# KiCad board BareDevRev2.kicad_pcb (continued)
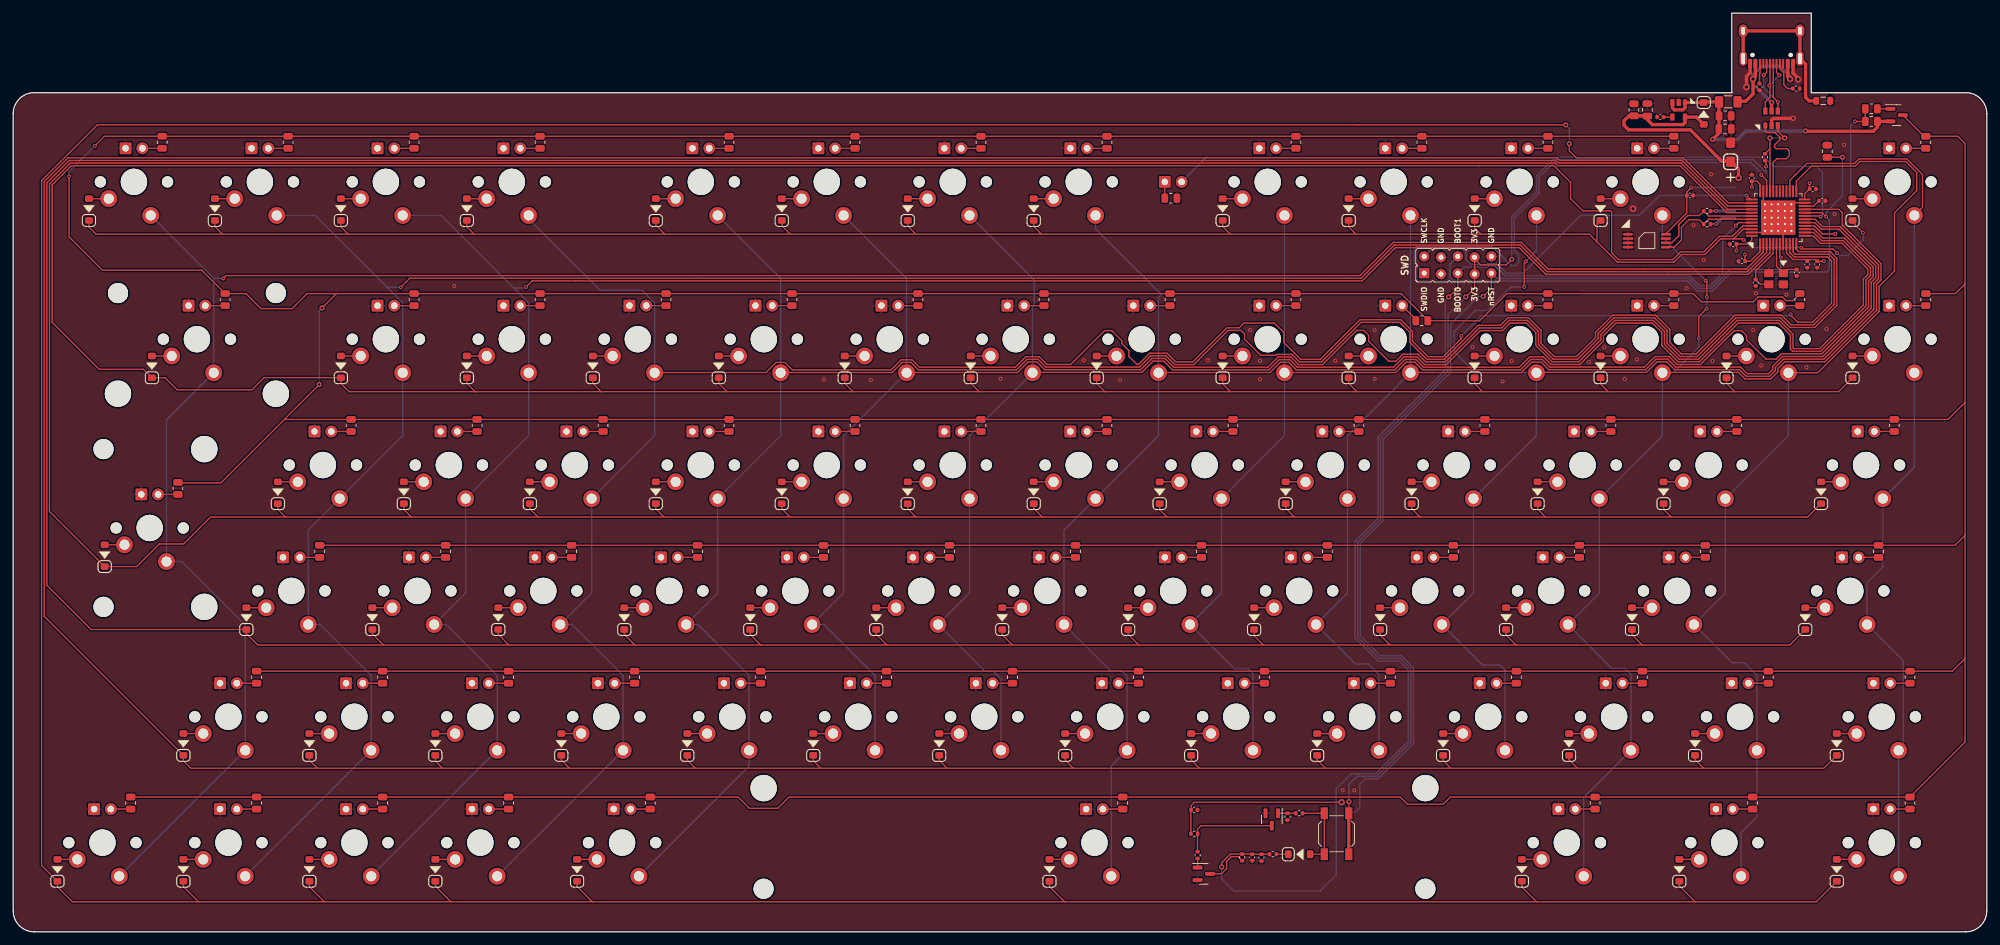
[diagram p0: board, top side]
## Routing (per net, layer and track width the routed paths; a pad name or vN(x,y) marks a point on that pad's centre or on a via; arc(x,y) is an arc through that point) (continued)
COL11: length 327
  Top w0.2: v1(77.55,97.6) 78.46,98.52 203.99,98.52 209.02,103.55 227.74,103.55 231.77,99.52 262.41,99.52 265.66,102.76 U2.4
  Bottom w0.2: 75.68,97.45 77.95,95.18 K_125.1 77.95,75.09 K_139.1 68.42,51.28 K_153.1 65.45,46.51 73.18,38.78 K_166.1 K_175.1 ; 75.68,97.45 77.4,97.45 v1(77.55,97.6) ; 75.68,97.45 64.7,108.43 K_111.1
COL12: length 345.6
  Top w0.2: v1(58.6,97.55) 59.97,98.92 103.66,98.92 132.77,98.92 203.83,98.92 208.85,103.94 227.57,103.94 227.91,103.94 231.93,99.92 262.25,99.92 265.16,102.83 U2.3
  Bottom w0.2: K_176.1 K_167.1 54.13,38.78 46.4,46.51 K_154.1 44.61,60.8 K_140.1 58.9,75.09 K_126.1 58.9,95.18 56.45,97.63 ; 56.45,97.63 45.65,108.43 K_112.1 ; 56.45,97.63 56.53,97.55 v1(58.6,97.55)
COL13: length 361.6
  Top w0.2: v1(31.73,98.9) 32.15,99.32 83.65,99.32 127.33,99.32 203.66,99.32 208.69,104.34 228.07,104.34 232.1,100.32 246.71,100.32 250.47,100.32 262.08,100.32 264.66,102.89 U2.2
  Bottom w0.2: 30.32,98.9 31.72,98.9 v1(31.73,98.9) ; 30.32,98.9 K_113.1 ; 30.32,98.9 K_127.1 23.18,77.47 K_141.1 25.49,56.04 35.08,46.45 K_168.1 K_177.1
D+: length 13.7
  Top w0.2: U2.33 265.66,118.51 ; 265.66,118.51 v3(265.66,120.15) ; 265.66,118.51 R4.2 ; 266.86,121.28 266.86,121.18 v3(267.89,120.15) ; 266.86,121.28 266.86,121.23 ; 266.86,121.28 U3.3
  Bottom w0.2: v3(265.66,120.15) 266.38,120.15 266.38,120.15 v3(267.89,120.15)
D-: length 15.7
  Top w0.2: U3.1 264.96,121.16 265.15,120.96 266.44,120.96 267.19,120.21 267.19,119.91 266.35,119.07 266.35,118.78 266.6,118.53 268.25,118.53 268.6,118.18 268.6,117.48 268.12,117.01 266.7,117.01 266.16,116.46 U2.32
DBUS+: length 14.5
  Top w0.2: 266.86,125.62 266.16,126.32 266.16,131.49 ; v1(264.71,129.64) 265.16,130.08 265.16,131.49 ; v1(266.87,125.62) 266.87,124.24 U3.4
  Bottom w0.2: 264.72,129.64 264.72,127.75 266.87,125.61
DBUS-: length 11.8
  Top w0.2: 266.66,131.49 266.66,130.08 v1(267.1,129.64) ; U3.6 264.96,125.61 265.66,126.31 265.66,131.49
  Bottom w0.2: v1(265.56,128.11) 265.57,128.11 v1(267.1,129.64)
LED_PWM: length 26.9
  Top w0.2: R5.2 R6.1 280.07,122.65 v1(278.51,122.65) ; v1(275.54,105.63) 273.59,105.63 272.37,106.85 U2.16
  Bottom w0.2: v1(278.51,122.65) 277.88,122.01 277.88,107.96 v1(275.54,105.63)
NRST: length 179.8
  Top w0.2: X1.9 223.54,97.41 v3(222.29,96.16) ; v1(267.31,102.05) 267.16,102.2 U2.7 ; R305.2 178.09,18.41 C302.1 178.12,19.13 178.59,19.6 v2(200.88,19.6)
  Bottom w0.2: X1.9 224.33,98.88 253.36,98.88 254.85,97.39 256.77,97.39 259.64,100.27 267.08,100.27 267.31,100.49 v1(267.31,102.05) ; v2(200.88,19.6) 202.35,18.12 202.96,18.12 203.64,18.8 203.64,22.34 204.42,23.12 206.36,23.12 211.76,28.51 211.76,32.88 211.76,32.88 211.76,39.96 209.91,41.8 206.7,41.8 203.71,44.79 203.71,58.79 207.17,62.25 207.17,74.51 217.36,84.7 217.36,91.97 221.56,96.16 v3(222.29,96.16)
PB2/BOOT1: length 87.3
  Top w0.2: U2.20 273.56,108.85 v1(274.17,108.24) ; v3(276.64,117.24) 274.33,117.24 R308.1
  Bottom w0.2: X1.6 217.26,101.03 217.26,99.05 217.83,98.49 253.2,98.49 254.69,96.99 256.93,96.99 259.81,99.87 274.31,99.87 274.65,100.21 274.65,107.75 v1(274.17,108.24) 274.17,108.93 276.64,111.4 v3(276.64,117.24)
ROW0: length 311
  Top w0.2: 155.48,105.6 184.06,105.6 ; 155.48,105.6 136.49,105.6 ; 155.48,105.6 154.32,106.76 D_106.1 ; 184.06,105.6 203.04,105.6 ; 184.06,105.6 182.9,106.76 D_105.1 ; D_101.1 278.15,107.39 v1(279.73,105.81) ; 239.5,104.44 239.5,107.12 D_102.1 ; 239.5,104.44 238.34,105.6 221.95,105.6 ; 239.5,104.44 242.59,101.35 251.15,101.35 252.31,102.51 255.84,102.51 258.21,104.88 260.16,104.88 ; D_104.1 201.95,106.69 203.04,105.6 ; 117.51,105.6 116.22,106.88 D_108.1 ; 117.51,105.6 98.52,105.6 ; 117.51,105.6 136.49,105.6 ; 203.04,105.6 221.95,105.6 ; 221.95,105.6 221,106.55 D_103.1 ; 31.65,105.6 50.66,105.6 ; 31.65,105.6 12.52,105.6 11.45,106.67 D_113.1 ; 31.65,105.6 30.5,106.75 D_112.1 ; 50.66,105.6 49.55,106.71 D_111.1 ; 50.66,105.6 69.71,105.6 ; 98.52,105.6 97.17,106.94 D_109.1 ; 98.52,105.6 69.71,105.6 ; 136.49,105.6 135.27,106.82 D_107.1 ; 260.16,104.88 261.53,104.88 v1(261.7,104.71) ; 260.16,104.88 261.62,106.35 U2.46 ; D_110.1 68.6,106.71 69.71,105.6 ; v1(275.8,102.76) 275.22,103.34 270.61,103.34 v1(270.41,103.54)
  Bottom w0.2: v1(279.73,105.81) 279.78,105.76 279.78,104.76 277.37,102.35 276.21,102.35 v1(275.8,102.76) ; v1(261.7,104.71) 262.84,103.57 270.39,103.57 v1(270.41,103.54)
ROW1: length 600.3
  Top w0.2: 165.08,81.75 184.08,81.75 ; 165.08,81.75 146.06,81.75 ; 165.08,81.75 163.85,82.98 D_120.1 ; 184.08,81.75 182.9,82.93 D_119.1 ; 184.08,81.75 203.19,81.75 ; U2.45 261.56,106.85 259.99,105.28 258.04,105.28 255.67,102.91 252.15,102.91 250.98,101.75 242.76,101.75 241.72,102.78 241.72,108.93 241.53,109.12 237.36,109.12 235.51,110.97 235.51,113.43 233,115.95 221.64,115.95 221.64,115.95 221.64,115.95 8.79,115.95 5.88,113.05 5.88,92.26 13,85.14 19.69,85.14 D_127.1 22.97,83.85 24.79,82.04 36.1,82.04 37.94,83.88 49.52,83.88 D_126.1 49.55,83 50.8,81.75 69.86,81.75 ; 241.21,81.75 240.05,82.91 D_116.1 ; 241.21,81.75 260.35,81.75 ; 241.21,81.75 222.21,81.75 ; 146.06,81.75 144.8,83.02 D_121.1 ; 146.06,81.75 127,81.75 ; 88.9,81.75 69.86,81.75 69.86,81.75 ; 88.9,81.75 87.65,83 D_124.1 ; 88.9,81.75 107.94,81.75 ; D_115.1 259.1,83.01 260.35,81.75 ; 69.86,81.75 68.6,83.01 D_125.1 ; 260.35,81.75 276.04,81.75 D_114.1 ; D_123.1 106.7,83 107.94,81.75 ; D_122.1 125.75,83.01 127,81.75 ; 203.19,81.75 222.21,81.75 ; 203.19,81.75 201.95,83 D_118.1 ; 222.21,81.75 221,82.96 D_117.1 ; 127,81.75 107.94,81.75
ROW2: length 617
  Top w0.2: 212.74,62.78 231.72,62.78 ; 212.74,62.78 193.74,62.78 ; 212.74,62.78 211.47,64.05 D_131.1 ; 231.72,62.78 230.52,63.98 D_130.1 ; 231.72,62.78 250.73,62.78 ; 41.19,62.78 60.2,62.78 ; 41.19,62.78 29.85,62.78 25.77,58.7 22.08,58.7 18.66,55.28 D_141.1 5.48,63.62 5.48,113.21 8.62,116.35 233.16,116.35 233.56,115.95 252.05,115.95 259.16,108.85 U2.41 ; 41.19,62.78 40.02,63.95 D_140.1 ; 60.2,62.78 59.07,63.91 D_139.1 ; 60.2,62.78 79.36,62.78 ; D_136.1 116.22,64.04 117.48,62.78 ; 174.48,62.78 193.74,62.78 ; 174.48,62.78 155.62,62.78 ; 174.48,62.78 173.37,63.89 D_133.1 ; 193.74,62.78 192.42,64.1 D_132.1 ; 117.48,62.78 136.5,62.78 ; 117.48,62.78 98.41,62.78 ; D_134.1 154.32,64.08 155.62,62.78 ; 98.41,62.78 97.17,64.02 D_137.1 ; 98.41,62.78 79.36,62.78 ; D_129.1 249.57,63.94 250.73,62.78 ; 250.73,62.78 271.36,62.78 D_128.1 ; 79.36,62.78 78.12,64.02 D_138.1 ; D_135.1 135.27,64.01 136.5,62.78 ; 136.5,62.78 155.62,62.78
ROW3: length 627.1
  Top w0.2: 74.96,43.41 94.01,43.41 ; 74.96,43.41 73.36,45.01 D_152.1 ; 74.96,43.41 56,43.41 ; 94.01,43.41 92.41,45.01 D_151.1 ; 94.01,43.41 113.04,43.41 ; D_148.1 149.56,44.97 151.12,43.41 ; 113.04,43.41 111.46,44.99 D_150.1 ; 113.04,43.41 132.11,43.41 ; 189.05,43.41 208.21,43.41 ; 189.05,43.41 187.66,44.8 D_146.1 ; 189.05,43.41 170.22,43.41 ; 208.21,43.41 206.71,44.91 D_145.1 ; 208.21,43.41 227.26,43.41 ; 170.22,43.41 168.61,45.02 D_147.1 ; 170.22,43.41 151.12,43.41 ; 151.12,43.41 132.11,43.41 ; D_144.1 225.76,44.91 227.26,43.41 ; D_142.1 268.66,43.41 246.33,43.41 ; 227.26,43.41 246.33,43.41 ; 56,43.41 36.98,43.41 35.26,45.13 D_154.1 11.78,45.75 5.09,52.45 5.09,113.38 8.46,116.75 233.33,116.75 233.73,116.35 252.22,116.35 259.22,109.35 U2.40 ; 56,43.41 54.31,45.1 D_153.1 ; 132.11,43.41 130.51,45.02 D_149.1 ; 246.33,43.41 244.81,44.93 D_143.1
ROW4: length 639.9
  Top w0.2: 84.14,24.75 82.88,26 D_165.1 ; 84.14,24.75 103.15,24.75 ; 84.14,24.75 64.92,24.75 ; 217.39,24.75 236.56,24.75 ; 217.39,24.75 198.45,24.75 ; 217.39,24.75 216.23,25.9 D_158.1 ; 236.56,24.75 235.28,26.03 D_157.1 ; 236.56,24.75 255.64,24.75 ; D_161.1 159.08,25.99 160.32,24.75 ; D_155.1 273.81,24.75 255.64,24.75 ; 103.15,24.75 122.14,24.75 ; 103.15,24.75 101.93,25.97 D_164.1 ; 46.01,24.75 44.78,25.97 D_167.1 ; 46.01,24.75 26.86,24.75 25.73,25.88 D_168.1 4.69,47.75 4.69,113.54 8.29,117.15 70.9,117.15 233.49,117.15 233.89,116.75 252.38,116.75 259.29,109.85 U2.39 ; 46.01,24.75 64.92,24.75 ; 141.24,24.75 160.32,24.75 ; 141.24,24.75 122.14,24.75 ; 141.24,24.75 140.03,25.95 D_162.1 ; 160.32,24.75 179.39,24.75 ; 198.45,24.75 197.18,26.02 D_159.1 ; 198.45,24.75 179.39,24.75 ; 122.14,24.75 120.98,25.91 D_163.1 ; 179.39,24.75 178.13,26 D_160.1 ; 64.92,24.75 63.83,25.83 D_166.1 ; 255.64,24.75 254.33,26.05 D_156.1
ROW5: length 676.8
  Top w0.2: 66.2,4.54 87.58,4.54 ; 66.2,4.54 47.06,4.54 ; 66.2,4.54 63.83,6.9 D_174.1 ; 87.58,4.54 85.26,6.85 D_173.1 ; 87.58,4.54 159,4.54 ; v3(234.78,122.14) 203.42,122.14 203.42,122.14 12.72,122.14 4.29,113.71 4.29,10.05 D_177.1 6.68,6.79 8.94,4.54 28.04,4.54 ; 230.38,4.54 228.14,6.78 D_171.1 ; 230.38,4.54 159,4.54 ; 230.38,4.54 254.36,4.54 ; 254.36,4.54 251.95,6.94 D_170.1 ; 254.36,4.54 272.65,4.54 D_169.1 ; U2.38 259.35,110.35 252.55,117.15 236.37,117.15 235.32,118.2 v3(235.32,119.3) ; 159,4.54 156.7,6.84 D_172.1 ; D_176.1 25.73,6.85 28.04,4.54 ; 28.04,4.54 47.06,4.54 ; 47.06,4.54 44.78,6.82 D_175.1
  Bottom w0.2: v3(234.78,122.14) 235.32,121.6 v3(235.32,119.3)
SCL: length 16.3
  Top w0.2: U2.42 256.4,108.35 R2.2 254.97,108.42 253.25,108.42 251.88,107.06 251.88,105.36 250.8,104.27 U1.6
SDA: length 16.4
  Top w0.2: U1.5 251.19,103.62 252.28,104.72 252.28,106.64 253.42,107.77 254.97,107.77 R1.2 256.4,107.85 U2.43
SWCLK: length 57.4
  Top w0.2: v1(262.11,111.45) 262.71,110.85 U2.37
  Bottom w0.2: X1.2 214.49,103.34 219.25,103.34 219.71,102.88 219.71,101.76 220.45,101.02 222.8,101.02 222.93,101.14 224.35,101.14 225.81,99.68 228.27,99.68 237.04,108.45 245.93,108.45 248.92,111.45 v1(262.11,111.45)
SWDIO: length 74.7
  Top w0.2: U2.34 265.16,113.75 v1(264.35,114.56)
  Bottom w0.2: v1(264.35,114.56) 264.35,114.84 262.74,116.45 233,116.45 230.76,114.2 230.76,111.79 227,108.03 227,103.11 227.66,102.45 227.66,101.28 227.22,100.85 226.54,100.85 223.65,103.74 212.17,103.74 211.9,103.47 211.9,101.15 X1.1
XTAL_IN: length 8.8
  Top w0.2: Y1.3 264.24,98 C9.1 263.51,100.05 266.16,102.7 U2.5
XTAL_OUT: length 7.1
  Top w0.2: U2.6 266.66,100.73 Y1.1 268.24,100.25 C8.1
Net-(C11-Pad2): length 2.5
  Top w0.2: C11.2 272.28,109.85 U2.22
Net-(C203-Pad2): length 1.3
  Top w0.2: C203.2 U201.4
Net-(D301-Pad1): length 1.8
  Top w0.2: R301.2 D301.1
Net-(D301-Pad2): length 11.6
  Top w0.2: D301.2 SW301.2 SW301.2 R306.2
Net-(D_101-Pad2): length 3
  Top w0.2: 278.15,110.97 K_101.2
Net-(D_102-Pad2): length 3
  Top w0.2: 240.05,110.97 K_102.2
Net-(D_103-Pad2): length 3
  Top w0.2: 221,110.97 K_103.2
Net-(D_104-Pad2): length 3
  Top w0.2: 201.95,110.97 K_104.2
Net-(D_105-Pad2): length 3
  Top w0.2: 182.9,110.97 K_105.2
Net-(D_106-Pad2): length 3
  Top w0.2: 154.32,110.97 K_106.2
Net-(D_107-Pad2): length 3
  Top w0.2: 135.27,110.97 K_107.2
Net-(D_108-Pad2): length 3
  Top w0.2: 116.22,110.97 K_108.2
Net-(D_109-Pad2): length 3
  Top w0.2: 97.17,110.97 K_109.2
Net-(D_110-Pad2): length 3
  Top w0.2: 68.6,110.97 K_110.2
Net-(D_111-Pad2): length 3
  Top w0.2: 49.55,110.97 K_111.2
Net-(D_112-Pad2): length 3
  Top w0.2: 30.5,110.97 K_112.2
Net-(D_113-Pad2): length 3
  Top w0.2: 11.45,110.97 K_113.2
Net-(D_114-Pad2): length 3
  Top w0.2: D_114.2 K_114.2
Net-(D_115-Pad2): length 3
  Top w0.2: D_115.2 K_115.2
Net-(D_116-Pad2): length 3
  Top w0.2: D_116.2 K_116.2
Net-(D_117-Pad2): length 3
  Top w0.2: D_117.2 K_117.2
Net-(D_118-Pad2): length 3
  Top w0.2: D_118.2 K_118.2
Net-(D_119-Pad2): length 3
  Top w0.2: D_119.2 K_119.2
Net-(D_120-Pad2): length 3
  Top w0.2: D_120.2 K_120.2
Net-(D_121-Pad2): length 3
  Top w0.2: D_121.2 K_121.2
Net-(D_122-Pad2): length 3
  Top w0.2: D_122.2 K_122.2
Net-(D_123-Pad2): length 3
  Top w0.2: D_123.2 K_123.2
Net-(D_124-Pad2): length 3
  Top w0.2: D_124.2 K_124.2
Net-(D_125-Pad2): length 3
  Top w0.2: D_125.2 K_125.2
Net-(D_126-Pad2): length 3
  Top w0.2: D_126.2 K_126.2
Net-(D_127-Pad2): length 3
  Top w0.2: D_127.2 K_127.2
Net-(D_128-Pad2): length 3
  Top w0.2: D_128.2 K_128.2
Net-(D_129-Pad2): length 3
  Top w0.2: D_129.2 K_129.2
Net-(D_130-Pad2): length 3
  Top w0.2: D_130.2 K_130.2
Net-(D_131-Pad2): length 3
  Top w0.2: D_131.2 K_131.2
Net-(D_132-Pad2): length 3
  Top w0.2: D_132.2 K_132.2
Net-(D_133-Pad2): length 3
  Top w0.2: D_133.2 K_133.2
Net-(D_134-Pad2): length 3
  Top w0.2: D_134.2 K_134.2
Net-(D_135-Pad2): length 3
  Top w0.2: D_135.2 K_135.2
Net-(D_136-Pad2): length 3
  Top w0.2: D_136.2 K_136.2
Net-(D_137-Pad2): length 3
  Top w0.2: D_137.2 K_137.2
Net-(D_138-Pad2): length 3
  Top w0.2: D_138.2 K_138.2
Net-(D_139-Pad2): length 3
  Top w0.2: D_139.2 K_139.2
Net-(D_140-Pad2): length 3
  Top w0.2: D_140.2 K_140.2
Net-(D_141-Pad2): length 3
  Top w0.2: D_141.2 K_141.2
Net-(D_142-Pad2): length 3
  Top w0.2: D_142.2 K_142.2
Net-(D_143-Pad2): length 3
  Top w0.2: D_143.2 K_143.2
Net-(D_144-Pad2): length 3
  Top w0.2: D_144.2 K_144.2
Net-(D_145-Pad2): length 3
  Top w0.2: D_145.2 K_145.2
Net-(D_146-Pad2): length 3
  Top w0.2: D_146.2 K_146.2
Net-(D_147-Pad2): length 3
  Top w0.2: D_147.2 K_147.2
Net-(D_148-Pad2): length 3
  Top w0.2: D_148.2 K_148.2
Net-(D_149-Pad2): length 3
  Top w0.2: D_149.2 K_149.2
Net-(D_150-Pad2): length 3
  Top w0.2: D_150.2 K_150.2
Net-(D_151-Pad2): length 3
  Top w0.2: D_151.2 K_151.2
Net-(D_152-Pad2): length 3
  Top w0.2: D_152.2 K_152.2
Net-(D_153-Pad2): length 3
  Top w0.2: D_153.2 K_153.2
Net-(D_154-Pad2): length 3
  Top w0.2: D_154.2 K_154.2
Net-(D_155-Pad2): length 3
  Top w0.2: D_155.2 K_155.2
Net-(D_156-Pad2): length 3
  Top w0.2: D_156.2 K_156.2
Net-(D_157-Pad2): length 3
  Top w0.2: D_157.2 K_157.2
Net-(D_158-Pad2): length 3
  Top w0.2: D_158.2 K_158.2
Net-(D_159-Pad2): length 3
  Top w0.2: D_159.2 K_159.2
Net-(D_160-Pad2): length 3
  Top w0.2: D_160.2 K_160.2
Net-(D_161-Pad2): length 3
  Top w0.2: D_161.2 K_161.2
Net-(D_162-Pad2): length 3
  Top w0.2: D_162.2 K_162.2
Net-(D_163-Pad2): length 3
  Top w0.2: D_163.2 K_163.2
Net-(D_164-Pad2): length 3
  Top w0.2: D_164.2 K_164.2
Net-(D_165-Pad2): length 3
  Top w0.2: D_165.2 K_165.2
Net-(D_166-Pad2): length 3
  Top w0.2: D_166.2 K_166.2
Net-(D_167-Pad2): length 3
  Top w0.2: D_167.2 K_167.2
Net-(D_168-Pad2): length 3
  Top w0.2: D_168.2 K_168.2
Net-(D_169-Pad2): length 3
  Top w0.2: D_169.2 K_169.2
Net-(D_170-Pad2): length 3
  Top w0.2: D_170.2 K_170.2
Net-(D_171-Pad2): length 3
  Top w0.2: D_171.2 K_171.2
Net-(D_172-Pad2): length 3
  Top w0.2: D_172.2 K_172.2
Net-(D_173-Pad2): length 3
  Top w0.2: D_173.2 K_173.2
Net-(D_174-Pad2): length 3
  Top w0.2: D_174.2 K_174.2
Net-(D_175-Pad2): length 3
  Top w0.2: D_175.2 K_175.2
Net-(D_176-Pad2): length 3
  Top w0.2: D_176.2 K_176.2
Net-(D_177-Pad2): length 3
  Top w0.2: D_177.2 K_177.2
Net-(J401-PadA5): length 5.1
  Top w0.2: R401.2 268.34,127.63 267.75,128.22 267.75,130.09 267.71,130.13 267.66,130.13 267.16,130.63 J401.A5
Net-(J401-PadB5): length 3
  Top w0.2: J401.B5 264.16,129.93 264.08,129.86 R402.1
Net-(LED1-PadK): length 2.5
  Top w0.2: LED1.K R7.1
Net-(LED101-PadA): length 3
  Top w0.2: LED101.A R101.2
Net-(LED102-PadA): length 3
  Top w0.2: R102.2 251.13,118.59 LED102.A
Net-(LED103-PadA): length 3
  Top w0.2: LED103.A 232.08,118.59 R103.2
Net-(LED104-PadA): length 3
  Top w0.2: LED104.A 213.03,118.59 R104.2
Net-(LED105-PadA): length 3
  Top w0.2: LED105.A 193.98,118.59 R105.2
Net-(LED106-PadA): length 3
  Top w0.2: LED106.A 165.4,118.59 R106.2
Net-(LED107-PadA): length 3
  Top w0.2: R107.2 146.35,118.59 LED107.A
Net-(LED108-PadA): length 3
  Top w0.2: LED108.A 127.3,118.59 R108.2
Net-(LED109-PadA): length 3
  Top w0.2: LED109.A 108.25,118.59 R109.2
Net-(LED110-PadA): length 3
  Top w0.2: R110.2 79.68,118.59 LED110.A
Net-(LED111-PadA): length 3
  Top w0.2: LED111.A 60.63,118.59 R111.2
Net-(LED112-PadA): length 3
  Top w0.2: R112.2 41.58,118.59 LED112.A
Net-(LED113-PadA): length 3
  Top w0.2: R113.2 22.53,118.59 LED113.A
Net-(LED114-PadA): length 3
  Top w0.2: LED114.A R114.2
Net-(LED115-PadA): length 3
  Top w0.2: LED115.A R115.2
Net-(LED116-PadA): length 3
  Top w0.2: LED116.A R116.2
Net-(LED117-PadA): length 3
  Top w0.2: LED117.A R117.2
Net-(LED118-PadA): length 3.1
  Top w0.2: LED118.A 212.1,92.7 R118.2
Net-(LED119-PadA): length 3
  Top w0.2: LED119.A R119.2
Net-(LED120-PadA): length 3
  Top w0.2: LED120.A R120.2
Net-(LED121-PadA): length 3
  Top w0.2: LED121.A R121.2
Net-(LED122-PadA): length 3
  Top w0.2: LED122.A R122.2
Net-(LED123-PadA): length 3
  Top w0.2: LED123.A R123.2
Net-(LED124-PadA): length 3
  Top w0.2: LED124.A R124.2
Net-(LED125-PadA): length 3
  Top w0.2: LED125.A R125.2
Net-(LED126-PadA): length 3
  Top w0.2: LED126.A R126.2
Net-(LED127-PadA): length 3
  Top w0.2: LED127.A R127.2
Net-(LED128-PadA): length 3
  Top w0.2: LED128.A R128.2
Net-(LED129-PadA): length 3
  Top w0.2: LED129.A R129.2
Net-(LED130-PadA): length 3
  Top w0.2: LED130.A R130.2
Net-(LED131-PadA): length 3
  Top w0.2: LED131.A R131.2
Net-(LED132-PadA): length 3
  Top w0.2: LED132.A R132.2
Net-(LED133-PadA): length 3
  Top w0.2: LED133.A R133.2
Net-(LED134-PadA): length 3
  Top w0.2: LED134.A R134.2
Net-(LED135-PadA): length 3
  Top w0.2: LED135.A R135.2
Net-(LED136-PadA): length 3
  Top w0.2: LED136.A R136.2
Net-(LED137-PadA): length 3
  Top w0.2: LED137.A R137.2
Net-(LED138-PadA): length 3
  Top w0.2: LED138.A R138.2
Net-(LED139-PadA): length 3
  Top w0.2: LED139.A R139.2
Net-(LED140-PadA): length 3
  Top w0.2: LED140.A R140.2
Net-(LED141-PadA): length 3
  Top w0.2: LED141.A R141.2
Net-(LED142-PadA): length 3
  Top w0.2: LED142.A R142.2
Net-(LED143-PadA): length 3
  Top w0.2: R143.2 255.89,56.67 LED143.A
Net-(LED144-PadA): length 3
  Top w0.2: LED144.A 236.84,56.67 R144.2
Net-(LED145-PadA): length 3
  Top w0.2: LED145.A 217.79,56.67 R145.2
Net-(LED146-PadA): length 3
  Top w0.2: LED146.A 198.74,56.67 R146.2
Net-(LED147-PadA): length 3
  Top w0.2: R147.2 179.69,56.67 LED147.A
Net-(LED148-PadA): length 3
  Top w0.2: LED148.A 160.64,56.67 R148.2
Net-(LED149-PadA): length 3
  Top w0.2: LED149.A 141.59,56.67 R149.2
Net-(LED150-PadA): length 3
  Top w0.2: R150.2 122.54,56.67 LED150.A
Net-(LED151-PadA): length 3
  Top w0.2: R151.2 103.49,56.67 LED151.A
Net-(LED152-PadA): length 3
  Top w0.2: LED152.A 84.44,56.67 R152.2
Net-(LED153-PadA): length 3
  Top w0.2: R153.2 65.39,56.67 LED153.A
Net-(LED154-PadA): length 3
  Top w0.2: R154.2 46.34,56.67 LED154.A
Net-(LED155-PadA): length 3
  Top w0.2: R155.2 286.84,37.62 LED155.A
Net-(LED156-PadA): length 3
  Top w0.2: LED156.A R156.2
Net-(LED157-PadA): length 3
  Top w0.2: LED157.A R157.2
Net-(LED158-PadA): length 3
  Top w0.2: LED158.A R158.2
Net-(LED159-PadA): length 3
  Top w0.2: LED159.A R159.2
Net-(LED160-PadA): length 3
  Top w0.2: LED160.A R160.2
Net-(LED161-PadA): length 3
  Top w0.2: LED161.A R161.2
Net-(LED162-PadA): length 3
  Top w0.2: LED162.A R162.2
Net-(LED163-PadA): length 3
  Top w0.2: LED163.A R163.2
Net-(LED164-PadA): length 3
  Top w0.2: LED164.A R164.2
Net-(LED165-PadA): length 3
  Top w0.2: LED165.A R165.2
Net-(LED166-PadA): length 3
  Top w0.2: LED166.A R166.2
Net-(LED167-PadA): length 3
  Top w0.2: LED167.A R167.2
Net-(LED168-PadA): length 3
  Top w0.2: LED168.A R168.2
Net-(LED169-PadA): length 3
  Top w0.2: R169.2 286.84,18.57 LED169.A
Net-(LED170-PadA): length 3
  Top w0.2: LED170.A R170.2
Net-(LED171-PadA): length 3
  Top w0.2: LED171.A R171.2
Net-(LED172-PadA): length 3
  Top w0.2: LED172.A R172.2
Net-(LED173-PadA): length 3
  Top w0.2: R173.2 96.34,18.57 LED173.A
Net-(LED174-PadA): length 3
  Top w0.2: LED174.A R174.2
Net-(LED175-PadA): length 3
  Top w0.2: LED175.A R175.2
Net-(LED176-PadA): length 3
  Top w0.2: LED176.A R176.2
Net-(LED177-PadA): length 3
  Top w0.2: LED177.A R177.2
Net-(Q1-Pad1): length 2
  Top w0.2: R5.1 Q1.1
Net-(Q301-Pad1): length 1.4
  Top w0.2: Q301.1 R304.2
Net-(Q301-Pad3): length 6.9
  Top w0.2: Q301.3 182.71,8.77 183.49,9.56 183.49,10.66 184.21,11.37 185.24,11.37 R303.1
Net-(Q302-Pad1): length 2.7
  Top w0.2: Q302.1 R307.2 R306.1
Net-(Q302-Pad3): length 14.9
  Top w0.2: Q302.3 179.63,16.06 179.09,15.53 179.09,12.12 R304.1

## Copper pours and planes (outline as drawn; the poured copper is in the pictures)
3V3 on Bottom: 273.91,101.1 259.91,101.1 259.91,115.1 273.91,115.1 ; 1 cut-out
GND on Top: 275.91,96.1 258.72,96.1 258.72,115.1 275.91,115.1
GND on Top: 299.21,-1.12 -0.79,-1.12 -0.69,141.07 299.35,141.07
GND on Top: 281.91,88.1 236.91,88.1 236.91,123.1 281.91,123.1 ; 1 cut-out
GND on Bottom: 269.91,105.1 263.91,105.1 263.91,111.1 269.91,111.1
GND on Bottom: 299.21,-1.12 -0.79,-1.12 -0.79,141.07 299.35,141.07 ; 1 cut-out

## Text on the board
F.Silkscreen: SWCLK | GND | BOOT1 | 3V3 | SWDIO | BOOT0 | nRST | SWD
